# Altium PCB novena_evt1_a.PcbDoc (part 11 of 12) (continued)
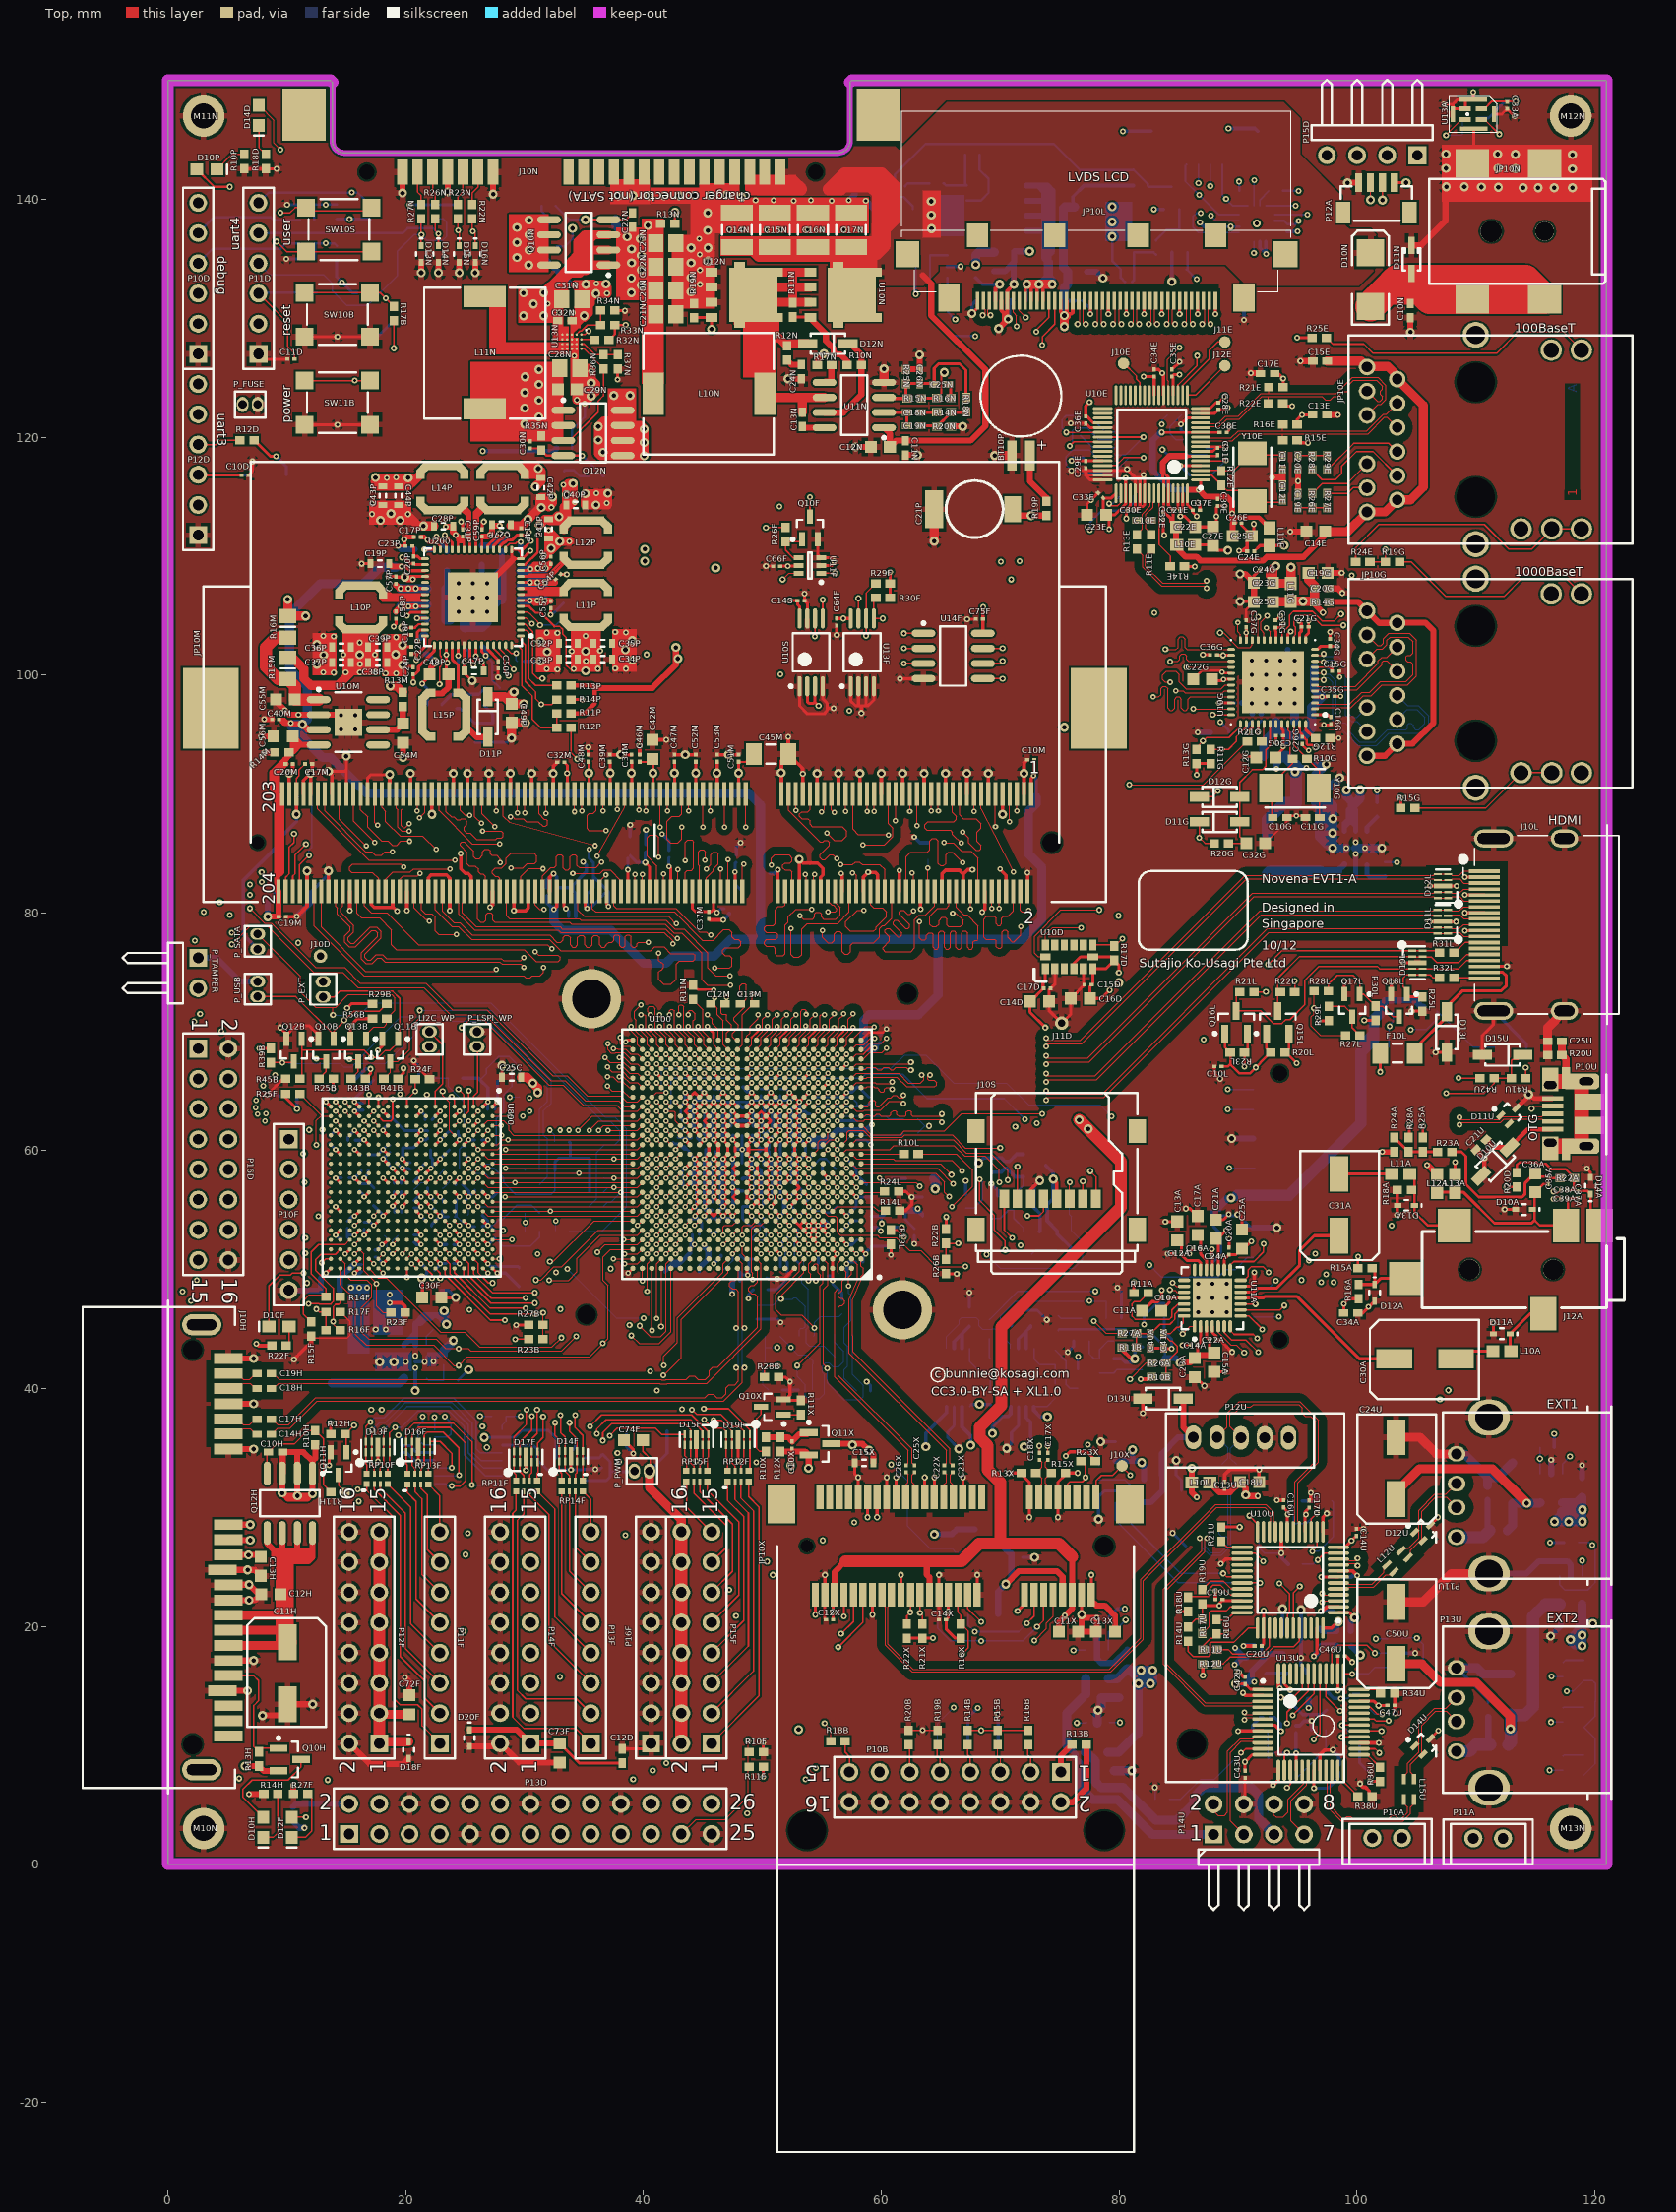
[diagram p0: Top view]
## Nets (pads, with @x,y where several pads share a name; then routed paths per layer and width w, separated by ;. In a path a pad name is that pad's centre, name@x,y a point inside that pad or via, vN(x,y) a via of type N, cw(c..) or ccw(c..) an arc to the next point about the centre after c; other vN are vias at no path point) (continued)
  L3 w0.089: v2(55.5,56.1) 55.5,55.966 55.7,55.766 55.7,55.636 55.997,55.339 56.127,55.339 56.471,54.995 57.566,54.995 58.05,54.511 58.257,54.511 58.417,54.351 58.417,54.214 58.524,54.107 58.745,54.107 58.847,54.209 58.847,54.404 58.953,54.511 59.309,54.511 59.573,54.775 59.753,54.775 59.865,54.663 59.995,54.663 60.155,54.823 60.155,54.958 60.028,55.085 60.028,55.23 63.723,58.925 67.085,58.925 72.625,64.465 v1@73.925,64.465
  other v1: 73.879,64.253
TX0_TMDS3_P: D11L.2 D11L.9 J10L.10 U100.J6 | length 67.5
  Top w0.083: U100.J6@54.3,56.5 v2(54.7,56.1) ; v1@73.9,64.78 78.595,64.78 92.47,78.655 106.43,78.655 106.525,78.75 D11L.2@107.662,78.75 ; D11L.2@107.975,78.655 108.63,78.655 108.975,79 J10L.10@110.74,79
  L3 w0.089: v2(54.7,56.1) 55.1,56.5 55.712,56.5 55.9,56.312 55.9,55.867 56.152,55.616 56.317,55.616 56.608,55.325 57.703,55.325 58.186,54.841 59.172,54.841 63.331,59 63.586,59.255 66.948,59.255 72.488,64.795 v1@73.925,64.795
  other v1: 73.879,65.028
TX_HDMI_5V: D13L.1 F10L.2 J10L.18 | length 13.6
  Top w0.254: F10L.2@104.875,68.2 104.875,68.575 107.575,71.275 D13L.1@107.575,71.675 107.575,72.125 108.9,73.45 112.15,73.45 112.575,73.875 112.575,74.7 112.275,75 J10L.18@110.74,75
TXRXA_N: JP10G.R9 U10G.3 | length 17.7
  Top w0.083: U10G.3@96.625,97.555 99.399,97.555 100.399,98.555 101.099,98.555 101.999,99.455 104.149,99.455 104.72,100.026 104.72,100.905 104.5,101.125 104.25,101.125 104.15,101.225 104.15,101.55 104.25,101.65 104.52,101.65 104.72,101.85 104.72,102.799 104.324,103.195 102.801,103.195 102.53,102.924 102.53,102.549 102.169,102.187 101.716,102.187 JP10G.R9@100.86,101.332
TXRXA_P: JP10G.R8 U10G.2 | length 17.9
  Top w0.083: U10G.2@96.625,97.25 99.525,97.25 100.525,98.25 101.225,98.25 102.125,99.15 104.275,99.15 105.025,99.9 105.025,102.925 104.45,103.5 102.675,103.5 102.225,103.05 102.225,102.675 102.042,102.492 101.732,102.492 JP10G.R8@100.86,103.364
TXRXB_N: JP10G.R2 U10G.6 | length 8.2
  Top w0.083: U10G.6@96.625,99.055 99.88,99.055 101.795,100.97 101.795,101.176 102.111,101.492 102.535,101.492 JP10G.R2@103.39,102.348
TXRXB_P: JP10G.R3 U10G.5 | length 8.3
  Top w0.083: U10G.5@96.625,98.75 100.006,98.75 102.1,100.844 102.1,101.05 102.238,101.188 102.518,101.188 JP10G.R3@103.39,100.316
TXRXC_N: JP10G.R5 U10G.8 | length 18.4
  Top w0.083: U10G.8@96.475,100.15 v1@97.05,100.15
  Bot w0.083: v1@97.2,100.075 97.7,100.075 98.275,99.5 98.275,96.325 98.637,95.963 99.012,95.963 99.25,95.725 99.25,95.35 100.225,94.375 101.55,94.375 102.575,95.4 104.15,95.4 104.275,95.525 104.275,95.825 104.4,95.95 104.575,95.95 104.75,95.775 104.75,95.6 104.95,95.4 105.2,95.4 105.725,95.925 105.725,96.425 105.043,97.107 104.246,97.107 JP10G.R5@103.39,96.252
  other v1: 97.2,100.2
TXRXC_P: JP10G.R4 U10G.7 | length 18.5
  Top w0.083: U10G.7@96.475,99.65 v1@97.125,99.65
  Bot w0.083: v1@97.2,99.77 97.574,99.77 97.97,99.374 97.97,96.199 100.099,94.07 101.676,94.07 102.701,95.095 105.326,95.095 106.03,95.799 106.03,96.551 105.169,97.412 104.262,97.412 JP10G.R4@103.39,98.284
  other v1: 97.2,99.575
TXRXD_N: JP10G.R10 U10G.11 | length 9.1
  Top w0.083: U10G.11@96.475,101.65 v1@97.075,101.65
  Bot w0.083: v1@97.2,101.575 98.45,101.575 99.35,100.675 99.35,96.725 99.663,96.412 100.005,96.412 JP10G.R10@100.86,97.268
  other v1: 97.2,101.775
TXRXD_P: JP10G.R11 U10G.10 | length 9.1
  Top w0.083: U10G.10@96.475,101.15 v1@97.1,101.15
  Bot w0.083: v1@97.2,101.27 98.324,101.27 99.045,100.549 99.045,96.599 99.536,96.108 99.988,96.108 JP10G.R11@100.86,95.236
  other v1: 97.2,101.1
UART2_RXD: D12D.1 R10D.2 R15D.2 U100.E25 | length 138.4
  Top w0.102: v1(30.95,49.125) 31.375,49.125 32.475,50.225 33.116,50.225 36.191,53.3 U100.E25@39.1,53.3
  L3 w0.127: v1(5.375,78.325) 6.2,78.325 6.85,78.975 11.85,78.975 15.659,75.166 15.659,72.266 18.225,69.7 18.225,66.05 v1(19.525,64.75)
  L8 w0.102: v1(19.525,64.75) 19.875,64.4 20.775,64.4 21.525,65.15 22.225,65.15 24.05,63.325 24.05,62.375 24.325,62.1 26.625,62.1 28.525,64 30.8,64 31.225,63.575 31.225,57.636 27.839,54.25 25.25,54.25 24.9,53.9 24.9,50.05 26.575,48.375 28.175,48.375 28.925,49.125 v1(30.95,49.125)
  L8 w0.127: v1(5.375,78.325) 5.671,78.621 5.671,80.779 5.55,80.9 5.55,104.951 11.4,110.801 11.4,123.575 12.15,124.325 12.15,132.6 13.275,133.725 v1(13.275,136.3)
  Bot w0.203: D12D.1@12.4,135 12.4,136.2 R15D.2@12.3,136.3 14,136.3 R10D.2@14.2,136.1
UART2_TXD: D13D.1 R11D.2 R16D.2 U100.E24 | length 143.5
  Top w0.102: v1(32.075,49.1) 33.7,49.1 34.416,49.816 34.416,50.959 36.356,52.9 39.5,52.9 U100.E24@39.9,53.3
  L3 w0.127: v1(5.2,79.8) 7.05,79.8 7.6,80.35 11.1,80.35 16.101,75.349 16.101,72.449 18.675,69.875 18.675,66.575 19.55,65.7 20.75,65.7 21.75,64.7 v1(21.775,64.7)
  L8 w0.102: v1(21.775,64.7) 22.375,64.1 22.75,64.1 23.725,63.125 23.725,62 24.425,61.3 27.3,61.3 27.525,61.525 27.525,62.425 28.85,63.75 30.65,63.75 30.95,63.45 30.95,57.75 27.725,54.525 24.625,54.525 24.1,54 24.1,50.325 26.4,48.025 28.625,48.025 29.125,48.525 31.5,48.525 v1(32.075,49.1)
  L8 w0.127: v1(5.2,79.8) 5.2,105.096 11.05,110.946 11.05,123.72 11.8,124.47 11.8,136.175 13.275,137.65 v1(13.275,139.55)
  Bot w0.203: R16D.2@12.3,138.25 D13D.1@12.3,139.55 R11D.2@14.2,139.55
UART3_RXD: P12D.4 R12D.2 U100.G22 U800.P2 | length 109.4
  Top w0.102: U800.P2@16.9,62.9 v2(17.3,63.3) ; v2(41.1,54.5) U100.G22@41.5,54.9
  Top w0.127: P12D.4@2.54,119.38 4.055,119.38 4.425,119.75 R12D.2@6.05,119.75
  L3 w0.102: v2(32.975,61.725) 34.25,60.45 40.675,60.45 41.481,59.644 41.481,56.742 41.475,56.736 41.475,56.475 41.481,56.469 41.481,54.881 v2(41.1,54.5)
  L3 w0.127: v1(3,80.05) 2.125,79.175 2.125,78.475 2.975,77.625 3.975,77.625 5.55,76.05 8.2,76.05 10.3,78.15 12.225,78.15 14.4,75.975 14.4,66.2 v2(17.3,63.3)
  L7 w0.127: v2(17.3,63.3) 17.7,63.7 20,63.7 20.409,64.109 25.484,64.109 26.425,65.05 29,65.05 29.275,64.775 29.275,64.4 29.95,63.725 30.825,63.725 31.875,62.675 32.025,62.675 v2(32.975,61.725)
  L8 w0.127: P12D.4@2.875,119.1 5.425,116.55 5.425,108.432 3,106.007 v1(3,80.05)
UART3_TXD: P12D.5 U100.F22 U800.T2 | length 150.8
  Top w0.102: v2(14.9,63.3) U800.T2@15.3,62.9 ; v2(41.1,53.7) U100.F22@41.5,54.1
  L7 w0.102: v2(14.9,63.3) 14.5,62.9 12.975,62.9 12.875,63 8.7,63 v2(8.175,62.475) 8,62.3 8,47.345 10.37,44.975 12.394,44.975 19.775,37.594 19.775,36.896 22.596,34.075 35.875,34.075 36.506,33.444 38.118,33.444 38.653,33.978 38.653,37.275 35.675,40.254 35.675,43.771 37.05,45.146 37.05,49.002 36.6,49.452 36.6,50.925 37.475,51.8 38.225,51.8 40.125,53.7 v2(41.1,53.7)
  L8 w0.127: P12D.5@2.875,121.7 6.05,118.525 6.05,108.35 3.702,106.002 3.702,78.875 3.875,78.702 3.875,70.341 3.852,70.318 3.852,64.348 4,64.2 4,62.95 4.675,62.275 7.425,62.275 7.625,62.475 v2(8.175,62.475)
UART4_CTS: P11D.2 U100.L3 U800.U1 | length 254.4
  Top w0.102: v2(14.1,64.1) U800.U1@14.5,63.7 ; U100.L3@56.7,58.1 v2(57.1,57.7)
  L4 w0.102: v2(57.1,57.7) 57.481,57.319 57.481,56.669 57.65,56.5 60.475,56.5 61.3,55.675 69.825,55.675 71.675,53.825 80.375,53.825 84.1,50.1 89.05,50.1 89.7,50.75 v1(95.975,50.75)
  L7 w0.102: v2(14.1,64.1) 13.7,63.7 12.3,63.7 11.75,64.25 10.4,64.25 9.75,63.6 8.075,63.6 7.35,62.875 7.35,47.076 10.101,44.325 12.125,44.325 16.125,40.325 16.125,34.043 19.293,30.875 52.675,30.875 53.266,31.466 81.566,31.466 82.775,32.675 82.775,36.992 85.074,39.291 91.849,39.291 95.975,43.417 v1(95.975,50.75)
  L8 w0.127: v2(7.525,63.075) 6.975,63.075 6.25,63.8 6.25,69.15 4.775,70.625 4.775,105.272 10.625,111.122 10.625,123.896 11.375,124.646 11.375,127.775 10.425,128.725 8.675,128.725 P11D.2@7.95,129.45
UART4_RTS: P11D.6 R14D.2 U100.L4 U800.U2 | length 293.3
  Top w0.102: v2(14.1,63.3) U800.U2@14.5,62.9 ; U100.L4@55.9,58.1 v2(56.3,57.7)
  L4 w0.102: v2(56.3,57.7) 56.681,57.319 56.681,55.869 56.9,55.65 59.9,55.65 60.875,54.675 63.9,54.675 64.1,54.875 69.65,54.875 71.125,53.4 80.3,53.4 81.8,51.9 81.8,50.35 82.475,49.675 89.226,49.675 89.876,50.325 94.15,50.325 v1(95.35,49.125)
  L7 w0.102: v2(14.1,63.3) 12.125,63.3 11.5,63.925 10.475,63.925 9.85,63.3 8.4,63.3 v2(8.225,63.125) 7.65,62.55 7.65,47.2 10.225,44.625 12.249,44.625 16.425,40.449 16.425,34.167 19.417,31.175 52.551,31.175 53.142,31.766 81.442,31.766 82.475,32.799 82.475,37.117 84.95,39.591 91.725,39.591 95.35,43.217 v1(95.35,49.125)
  L8 w0.127: v2(8.225,63.125) 8.7,63.125 10.1,64.525 10.1,68.7 8.85,69.95 8.85,71.375 9.825,72.35 9.825,80.416 9.3,80.941 9.3,89.825 7.425,91.7 7.425,92.15 8.625,93.35 8.625,94.875 7.45,96.05 7.45,102.675 13.25,108.475 13.25,122.75 14.875,124.375 14.875,129.95 17.075,132.15 23.7,132.15 25.1,133.55 25.1,134.575 26.625,136.1 26.625,137.8 25.775,138.65 17.4,138.65 v1(15.475,140.575)
  Bot w0.203: P11D.6@7.62,139.7 8.47,140.55 15.95,140.55 R14D.2@17.05,139.45
UART4_RXD: D13N.1 P11D.4 P13D.10 R27N.2 R30N.2 U100.L1 U100.V6 U800.T1 | length 345.5
  Top w0.102: v2(14.9,64.1) U800.T1@15.3,63.7 ; U100.V6@54.3,63.7 v2(54.7,64.1) ; U100.L1@58.3,58.1 64.584,58.1 65.325,57.359 65.325,56.5 v1(65.7,56.125)
  Top w0.127: D13N.1@21.3,136.1 R27N.2@21.3,138.35
  L3 w0.102: v1(15.95,31.525) 16.6,30.875 16.6,9.4 18.4,7.6 22.88,7.6 P13D.10@25.4,5.08
  L4 w0.102: v1(65.7,56.125) 65.75,56.075 71.95,56.075 73.775,54.25 80.625,54.25 84.2,50.675 88.812,50.675 89.462,51.325 v1(96.5,51.325)
  L7 w0.102: v2(14.9,64.1) 14.5,64.5 10.15,64.5 9.575,63.925 7.675,63.925 7.025,63.275 7.025,46.941 9.966,44 11.99,44 15.1,40.89 15.1,32.425 17.016,30.509 52.827,30.509 53.418,31.1 81.718,31.1 83.141,32.523 83.141,36.841 85.226,38.925 92.001,38.925 96.5,43.424 v1(96.5,51.325)
  L7 w0.127: v2(54.7,64.1) 55.1,63.7 55.1,59.125 56.125,58.1 58.15,58.1 58.45,57.8 58.45,56.825 59.05,56.225 61.275,56.225 61.9,55.6 65.175,55.6 v1(65.7,56.125)
  L8 w0.127: v2(7.375,63.625) 6.575,64.425 6.575,69.525 5.9,70.2 5.9,104.806 11.75,110.656 11.75,123.43 12.5,124.18 12.5,132.25 15.825,135.575 20.775,135.575 21.325,136.125 v1(21.325,137.025)
  Bot w0.127: P11D.4@7.62,134.62 8.59,133.65 13.1,133.65 13.825,132.925 13.825,132.3 15.05,131.075 16.8,131.075 19.3,133.575 19.3,135.625 20.7,137.025 v1(21.325,137.025) 21.825,136.525 23.075,136.525 23.45,136.9 23.45,138.05 23.15,138.35 R30N.2@22.5,138.35
UART4_TXD: D14N.1 P11D.5 P13D.8 R26N.2 R28N.2 U100.M2 U100.W5 U800.P1 | length 341.3
  Top w0.102: U100.W5@55.1,64.5 v2(55.5,64.9) ; U100.M2@57.5,58.9 57.9,58.5 64.75,58.5 v1(66.038,57.212)
  Top w0.127: U800.P1@16.9,63.7 v1(16.9,64.7) ; R26N.2@22.5,138.35 22.5,137.35 v1(22.75,137.1) D14N.1@22.75,136.1
  L3 w0.102: v1(16.05,30.5) 16.05,28.6 16.35,28.3 16.35,9.125 18.525,6.95 21.175,6.95 22.86,5.265 P13D.8@22.86,5.08
  L4 w0.102: v1(66.038,57.212) 66.7,56.55 72.625,56.55 74.125,55.05 83.9,55.05 84.425,54.525 86.825,54.525 87.475,55.175 93.6,55.175 97,51.775 v1(97,48.925)
  L7 w0.102: v1(16.9,64.7) 14.925,64.7 14.831,64.794 9.969,64.794 9.4,64.225 v2(7.425,64.225) 7.175,64.225 6.725,63.775 6.725,46.817 9.842,43.7 11.866,43.7 14.8,40.766 14.8,31.75 v1(16.05,30.5) 16.341,30.209 52.951,30.209 53.542,30.8 81.842,30.8 83.441,32.399 83.441,36.716 85.35,38.625 92.125,38.625 97,43.5 v1(97,48.925)
  L7 w0.127: v2(55.5,64.9) 55.906,64.494 55.906,59.137 56.15,58.894 58.206,58.894 58.85,58.25 58.85,57.05 59.25,56.65 62.75,56.65 63.3,56.1 64.925,56.1 v1(66.038,57.212)
  L8 w0.127: v2(7.425,64.225) 7.425,65.65 7,66.075 7,69.825 6.275,70.55 6.275,104.651 12.125,110.501 12.125,123.275 12.875,124.025 12.875,132.05 15.925,135.1 21.65,135.1 22.75,136.2 v1(22.75,137.1)
  Bot w0.203: P11D.5@7.62,137.16 19.765,137.16 20.18,137.575 21.325,137.575 ; R28N.2@21.3,138.35 21.3,137.6 21.325,137.575 ; v1(22.75,137.1) 22.275,137.575 21.325,137.575
UIM_CLK: JP10X.12 U10X.C3 U100.H22 U800.B16 | length 87.3
  Top w0.102: U800.B16@26.5,51.7 v2(26.9,51.3) ; v2(41.1,55.3) U100.H22@41.5,55.7
  Top w0.127: v1(73.1,19.95) 73.655,20.505 JP10X.12@73.655,22.65
  L3 w0.102: v2(26.9,51.3) 27.097,51.497 27.334,51.497 27.609,51.772 28.203,51.772 28.282,51.694 28.288,51.694 28.484,51.497 30.472,51.497 31.025,52.05 35.5,52.05 36.9,52.05 39.75,54.9 40.7,54.9 v2(41.1,55.3)
  L3 w0.127: 35.5,52.05 35.5,50.6 36.675,49.425 37.85,49.425 39.494,47.781 43.843,47.781 46.175,45.449 46.175,40.591 47.5,39.266 47.5,36.4 46.775,35.675 46.775,33.125 52.05,27.85 52.05,25.526 54.551,23.025 56.001,23.025 57.775,21.251 57.775,20.701 58.726,19.75 65.95,19.75 66.925,18.775 v1(68.4,18.775)
  Bot w0.127: U10X.C3@64.75,21.025 64.75,19.825 65.8,18.775 v1(68.4,18.775) 71.925,18.775 v1(73.1,19.95)
UIM_DATA: JP10X.10 U10X.C7 U100.G25 U800.A12 | length 96.4
  Top w0.102: U800.A12@27.3,54.9 U100.G25@39.1,54.9 ; v1(72.875,18.8) 73.875,19.8 73.875,20.275 74.455,20.855 JP10X.10@74.455,22.65
  L3 w0.102: v2(31.075,51.325) 33.15,51.325 35.55,48.925 37.475,48.925 38.875,47.525 43.675,47.525 45.875,45.325 45.875,40.467 47.2,39.142 47.2,36.524 46.475,35.799 46.475,33.001 51.75,27.726 51.75,25.401 54.426,22.725 55.876,22.725 57.475,21.126 57.475,20.576 58.601,19.45 65.125,19.45 66.075,18.5 v1(66.075,13.175) 71.7,18.8 v1(72.875,18.8)
  L7 w0.102: v2(31.075,51.325) 31.075,53.8 v2(32.175,54.9)
  Bot w0.102: U10X.C7@64.75,9.825 64.75,11.85 v1(66.075,13.175)
UIM_PWR: C16X.1 JP10X.8 Q12X.3 U10X.C1 U800.J18 | length 98.8
  Top w0.102: v2(20.5,50.5) U800.J18@20.9,50.1
  Top w0.508: v3(70.475,23.55) 71.575,24.65 74.775,24.65 75.255,24.17 JP10X.8@75.255,22.65
  L7 w0.127: v1(24.85,19.6) 26.476,19.6 26.951,19.125 49.675,19.125 54.2,23.65 58.625,23.65 61.725,20.55 63.8,20.55 66.8,23.55 v3(70.475,23.55)
  L8 w0.102: v2(20.5,50.5) 20.5,49.758 20.675,49.582 20.675,45.5 23.25,42.925 23.25,40.475 24.35,39.375 24.35,36.35 22.975,34.975 22.975,30.25 24.125,29.1 24.125,25.075 24.85,24.35 v1(24.85,19.6)
  Bot w0.508: Q12X.3@69.75,27.2 70.825,26.125 70.95,26.125 70.95,24.025 69.83,22.905 U10X.C1@69.83,21.025
UIM_PWRON: Q12X.1 R14X.2 U100.J21 U800.A14 | length 77.6
  Top w0.102: U800.A14@27.3,53.3 v2(28.2,53.3) ; v2(41.9,56.1) U100.J21@42.3,56.5
  L7 w0.102: v2(28.2,53.3) 30.6,55.7 41.5,55.7 v2(41.9,56.1) ; v1(38.825,45.325) 38.825,45.276 37.75,44.201 37.75,39.474 39.7,37.524 39.7,36.324 43.299,32.725 55.825,32.725 56.45,33.35 60,33.35 60.25,33.6 v1(60.825,33.6)
  L8 w0.102: v1(38.825,45.325) 38.825,46.35 35.65,49.525 35.65,51.6 39.769,55.719 41.519,55.719 v2(41.9,56.1)
  Bot w0.102: v1(60.825,33.6) 62.2,32.225 62.2,28.425 64.075,26.55 R14X.2@65.95,26.55 66.25,26.25 Q12X.1@67.85,26.25
UIM_RESET: JP10X.14 U10X.C2 U100.H23 U800.C15 | length 85.7
  Top w0.102: U800.C15@25.7,52.5 v2(26.1,52.1) ; v2(40.3,55.3) U100.H23@40.7,55.7
  Top w0.127: v1(72.25,20.25) 72.855,20.855 JP10X.14@72.855,22.65
  L3 w0.102: v2(26.1,52.1) 26.5,51.7 27.25,51.7 27.525,51.975 28.288,51.975 28.366,51.897 28.372,51.897 28.569,51.7 29.9,51.7 30.475,52.275 36.725,52.275 39.75,55.3 v2(40.3,55.3)
  L3 w0.127: v1(37.25,50.075) 38.518,50.075 38.537,50.094 40.056,50.094 42.101,48.049 43.999,48.049 46.475,45.574 46.475,40.715 47.8,39.39 47.8,36.276 47.075,35.551 47.075,33.249 52.35,27.974 52.35,25.65 54.675,23.325 56.125,23.325 58.075,21.375 58.075,20.825 58.85,20.05 66.275,20.05 66.775,19.55 v1(67.875,19.55)
  L8 w0.102: v1(37.25,50.075) 36.6,50.725 36.6,51.425 40,54.825 40,55 v2(40.3,55.3)
  Bot w0.127: U10X.C2@67.29,21.025 67.29,20.135 v1(67.875,19.55) 71.55,19.55 v1(72.25,20.25)
UIM_VPP: JP10X.16 U10X.C6 | length 17.8
  Top w0.254: v1(71.45,21.275) 72.055,21.88 JP10X.16@72.055,22.65
  L3 w0.254: v1(68.1,13.125) 73.9,18.925 73.9,20.525 73.15,21.275 v1(71.45,21.275)
  Bot w0.254: U10X.C6@67.29,9.825 67.29,12.315 v1(68.1,13.125)
USB_ETH_N: R11E.1 U10U.9 | length 115
  Top w0.095: R11E.1@82.489,110.343 82.215,110.069 82.215,109.153 83.647,107.721 v1@87.359,107.721 ; U10U.9@98.45,25.15 99.2,25.15 99.346,25.296 v1@100.05,25.296
  L3 w0.101: v1@87.35,107.725 103.425,107.725 105.375,105.775 105.375,71.16 109.975,66.56 109.975,58.115 103.791,51.931 103.791,27.325 101.75,25.284 v1@100.075,25.284
  other v1: 100.05,25.1 87.35,107.925
USB_ETH_P: R13E.1 U10U.10 | length 115
  Top w0.095: R13E.1@81.674,110.37 81.986,110.058 81.986,109.059 83.553,107.493 v1@87.359,107.493 ; U10U.10@98.45,25.65 99.2,25.65 99.325,25.525 v1@100.05,25.525
  L3 w0.101: v1@87.35,107.484 103.325,107.484 105.134,105.675 105.134,71.061 109.734,66.461 109.734,58.214 103.55,52.031 103.55,27.425 102.809,26.684 102.471,26.684 102.224,26.437 102.224,26.099 101.65,25.525 101.3,25.525 101.081,25.744 100.848,25.744 100.629,25.525 v1@100.05,25.525
  other v1: 100.05,25.725 87.35,107.3
USB_ETHI_N: C10E.1 R11E.2 U10E.57 | length 3.6
  Top w0.095: R11E.2@82.498,112.074 82.255,112.317 82.255,113.507 82.863,114.115 U10E.57@82.863,114.547 ; U10E.57@82.95,114.55 U10E.57@82.95,115.279
USB_ETHI_P: C10E.2 R13E.2 U10E.56 | length 3.6
  Top w0.095: R13E.2@81.643,112 81.944,112.301 81.944,113.519 82.635,114.21 U10E.56@82.635,114.547 ; U10E.56@82.55,114.625 U10E.56@82.55,115.279
USB_EXT1_N: L12U.2 U10U.5 | length 4.6
  Top w0.095: U10U.5@99.125,23.1 99.325,23.3 101.4,23.3 102.45,24.35 102.9,24.35 L12U.2@103.123,24.573
USB_EXT1_P: L12U.3 U10U.6 | length 4.4
  Top w0.095: U10U.6@99.125,23.725 99.321,23.529 101.305,23.529 102.3,24.523 102.3,24.952 L12U.3@102.522,25.174
USB_EXT1F_N: D12U.2 L12U.1 P11U.2 | length 7.8
  Top w0.095: L12U.1@104.5,26.05 104.5,26.402 105.45,27.352 105.45,29.675 106.646,30.871 107.529,30.871 P11U.2@108.4,30
USB_EXT1F_P: D12U.1 L12U.4 P11U.3 | length 7.9
  Top w0.095: L12U.4@104.075,26.575 104.35,26.575 105.221,27.446 105.221,29.77 106.552,31.1 107.5,31.1 P11U.3@108.4,32
USB_EXT2_N: L15U.2 U13U.21 | length 11.5
  Top w0.095: U13U.21@97.375,7.15 97.525,7 97.525,4.775 98.675,3.625 103.875,3.625 104.5,4.25 104.5,4.8 104.8,5.1 L15U.2@104.8,5.45
USB_EXT2_P: L15U.3 U13U.22 | length 11.2
  Top w0.095: U13U.22@97.875,7.125 97.754,7.004 97.754,5.921 98,5.675 98,5.346 97.754,5.1 97.754,4.87 98.77,3.854 99.025,3.854 99.196,4.025 99.479,4.025 99.65,3.854 102.7,3.854 102.946,4.1 103.254,4.1 103.5,3.854 103.78,3.854 104.271,4.345 104.271,4.804 103.95,5.125 L15U.3@103.95,5.45
USB_EXT2F_N: D14U.2 L15U.1 P13U.2 | length 8.6
  Top w0.095: L15U.1@104.8,7.425 104.5,7.725 104.5,8.402 105.45,9.352 105.45,11.675 106.646,12.871 107.529,12.871 P13U.2@108.4,12
USB_EXT2F_P: D14U.1 L15U.4 P13U.3 | length 8.9
  Top w0.095: L15U.4@104.05,7.5 104.271,7.721 104.271,8.496 105.221,9.446 105.221,11.77 106.552,13.1 107.5,13.1 P13U.3@108.4,14
USB_H1_D_N: U10U.3 U100.F10 | length 76.7
  Top w0.095: U100.F10@51.1,54.1 v2(51.5,53.7) ; v1@97.1,22.15 U10U.3@98.45,22.15
  L3 w0.101: v2(51.5,53.7) 51.35,53.55 50.516,53.55 50.425,53.641 49.4,53.641 48.809,53.05 48.809,50.9 50.134,49.575 50.134,33.691 61.55,22.275 96.85,22.275 v1(97.1,22.025)
USB_H1_D_P: U10U.4 U100.E10 | length 76.6
  Top w0.095: U100.E10@51.1,53.3 v2(51.5,52.9) ; v1(97.1,22.762) 97.1,22.675 97.075,22.65 U10U.4@98.45,22.65
  L3 w0.101: v2(51.5,52.9) 51.5,53.1 51.291,53.309 50.416,53.309 50.325,53.4 49.5,53.4 49.05,52.95 49.05,52.7 49.2,52.55 49.2,52.15 49.05,52 49.05,51 50.375,49.675 50.375,33.791 50.566,33.6 50.8,33.6 50.971,33.429 50.971,33.196 61.65,22.516 61.925,22.516 62.109,22.7 62.391,22.7 62.575,22.516 96.854,22.516 v1(97.1,22.762)
USB_INT_N: P12U.2 R26U.2 U10U.17 | length 24.1
  Top w0.095: P12U.2@88.25,35.9 89.096,36.746 89.096,37.895 90.102,38.9 95.2,38.9 96.775,37.325 96.775,33.8 95.025,32.05 95.025,28.85 95.15,28.725 U10U.17@95.15,27.95
  Bot w0.095: P12U.2@88.25,35.9 89.146,35.004 89.146,34.146 88.65,33.65 R26U.2@88.65,33.625
USB_INT_P: P12U.3 R27U.2 U10U.18 | length 24
  Top w0.095: P12U.3@90.25,35.85 89.325,36.775 89.325,37.8 89.5,37.975 89.8,37.975 90,38.175 90,38.475 90.196,38.671 90.5,38.671 90.746,38.425 91.075,38.425 91.321,38.671 95.105,38.671 95.427,38.35 95.427,37.923 95.675,37.675 96.102,37.675 96.546,37.23 96.546,33.895 94.796,32.145 94.796,28.846 94.65,28.7 U10U.18@94.65,27.95
  Bot w0.095: R27U.2@89.85,33.625 89.375,34.1 89.375,34.975 P12U.3@90.25,35.85
USB_KBD_N: P14U.6 U13U.17 | length 6.5
  Top w0.095: P14U.6@93.03,5.02 93.03,4.12 93.2,3.95 93.8,3.95 94.221,4.371 94.221,5.445 95.546,6.77 95.546,7.004 95.4,7.15 U13U.17@95.4,7.9
USB_KBD_P: P14U.7 U13U.18 | length 6.5
  Top w0.095: P14U.7@95.57,2.5 94.45,3.62 94.45,5.35 95.775,6.675 95.775,7 95.9,7.125 U13U.18@95.9,7.9
USB_MOUSE_N: P14U.2 U13U.9 | length 10.6
  Top w0.095: P14U.2@87.95,5.04 87.95,4.5 88.35,4.1 88.85,4.1 89.121,4.371 89.121,9.496 90.175,10.55 91.275,10.55 91.425,10.7 U13U.9@92.1,10.7
USB_MOUSE_P: P14U.3 U13U.10 | length 10.6
  Top w0.095: P14U.3@90.49,2.5 89.35,3.64 89.35,9.402 90.27,10.321 91.279,10.321 91.4,10.2 U13U.10@92.1,10.2
USB_OPT_N: R26U.1 U13U.3 | length 31.5
  Top w0.095: v1@87.2,27.4 87.2,26.275 83.95,23.025 83.95,16.875 87.271,13.554 91.154,13.554 91.3,13.7 U13U.3@92.1,13.7
  Bot w0.095: v1@87.204,27.4 87.204,26.72 87.723,26.2 88.527,26.2 89.175,26.848 89.175,27.4 89.025,27.55 88.625,27.55 88.425,27.75 88.425,28.025 88.625,28.225 89,28.225 89.175,28.4 89.175,31.9 R26U.1@88.65,32.425
  other v1: 87.4,27.425
USB_OPT_P: R27U.1 U13U.4 | length 31.5
  Top w0.095: v1@86.971,27.4 86.971,26.37 83.721,23.12 83.721,16.78 87.177,13.325 91.2,13.325 91.325,13.2 U13U.4@92.1,13.2
  Bot w0.095: v1@86.975,27.4 86.975,26.625 87.629,25.971 88.621,25.971 89.404,26.754 89.404,31.904 89.85,32.35 R27U.1@89.85,32.425
  other v1: 86.775,27.4
USB_OTG_N: D11U.2 P10U.2 U100.B6 | length 85.2
  Top w0.095: v1@54.071,49.075 54.071,49.629 53.9,49.8 53.9,50.5 U100.B6@54.3,50.9 ; v1@108.6,62.371 112.095,62.371 112.37,62.646 115.579,62.646 115.775,62.45 P10U.2@116.475,62.45
  L3 w0.101: v1@54.075,49.075 54.075,47.125 61.175,40.025 85.616,40.025 85.85,40.025 86.55,40.725 97.125,40.725 101.971,45.571 101.971,56.379 107.956,62.364 v1@108.65,62.364
  other v1: 53.875,49.075 108.625,62.175
USB_OTG_P: D11U.1 P10U.3 U100.A6 | length 85.3
  Top w0.095: U100.A6@54.3,50.1 54.3,50.375 54.425,50.5 54.575,50.5 54.7,50.375 54.7,49.75 54.897,49.553 54.897,49.272 54.7,49.075 v1(54.5,49.075) ; v1@108.6,62.6 112,62.6 112.275,62.875 115.55,62.875 115.775,63.1 P10U.3@116.475,63.1
  L3 w0.101: v1@54.316,49.075 54.316,48.55 54.475,48.391 54.475,48.159 54.316,48 54.316,47.225 61.275,40.266 85.616,40.266 85.75,40.266 86.45,40.966 97.025,40.966 101.729,45.671 101.729,56.479 101.8,56.55 107.856,62.606 v1@108.65,62.606
  other v1: 108.625,62.8
USB_OVERCUR1_N: R15U.1 U10U.42 U11U.1 | length 35.1
  Top w0.127: v1(93.475,23.6) 94.35,22.725 94.35,21.175 94.15,20.975 U10U.42@94.15,19.85
  L7 w0.127: v1(93.475,23.6) 94.575,24.7 94.575,25.825 96.5,27.75 97.95,27.75 106.175,35.975 109.775,35.975 111.875,33.875 114.325,33.875 114.55,34.1 v1(115.4,34.1)
  Bot w0.127: U11U.1@115.4,32.8 v1(115.4,34.1) R15U.1@115.4,35.05
USB_OVERCUR3_N: R23U.1 U10U.30 U12U.3 | length 17.3
  Top w0.127: v1(88.75,24.45) 89.05,24.15 U10U.30@90.35,24.15
  Bot w0.127: R23U.1@78.3,32.325 U12U.3@79.7,32.325 80.5,32.325 81,31.825 81,28.625 85.175,24.45 v1(88.75,24.45)
USB_OVERCUR5_N: R12L.1 U10L.3 U13U.42 | length 185.5
  Top w0.127: v1(94.6,12.525) 96.4,14.325 U13U.42@96.4,16
  L4 w0.127: v1(67.9,128.5) 70.55,125.85 75.7,125.85 78.225,128.375 91.565,128.375 92.815,129.625 101.61,129.625 106.3,124.935 106.3,114.25 107.075,113.475 107.075,71.2 109.7,68.575 109.7,54.125 106,50.425 106,41.55 v1(107.7,39.85)
  L7 w0.127: v1(94.6,12.525) 94,12.525 92.65,13.875 92.65,18.775 91.225,20.2 91.225,27.175 94.15,30.1 98.675,30.1 107.7,39.125 v1(107.7,39.85)
  Bot w0.203: U10L.3@65.55,135.3 R12L.1@64.1,135.3 64.1,130.3 65.9,128.5 v1(67.9,128.5) v1@67.925,128.525
USB_OVERCUR6_N: R39U.2 U13U.40 U15U.3 | length 35.3
  Top w0.127: U13U.40@97.4,16 97.4,14.075 v1(98.6,12.875)
  L7 w0.127: v1(80.55,20.525) 79.075,19.05 79.075,15.55 81.075,13.55 87.609,13.55 89.525,11.634 89.525,11.05 89.825,10.75 94.126,10.75 94.801,11.425 95.75,11.425 95.925,11.6 96.475,11.6 97.75,12.875 v1(98.6,12.875)
  Bot w0.127: U15U.3@79.1,18 R39U.2@79.1,19.55 79.575,19.55 v1(80.55,20.525)
USB_OVERCUR7_N: R40U.2 U13U.30 U16U.3 | length 25.4
  Top w0.127: v1@98.725,11.725 v1(98.75,11.7) U13U.30@100.2,11.7
  L7 w0.127: v1(80.088,11.913) 81.1,12.925 87.35,12.925 88.9,11.375 88.9,10.791 89.566,10.125 94.385,10.125 95.06,10.8 96,10.8 96.15,10.95 97.15,10.95 97.9,11.7 v1(98.75,11.7)
  Bot w0.127: U16U.3@79.175,11.925 80.075,11.925 v1@80.1,11.9 ; v1(98.75,11.7) 99.325,11.125 R40U.2@100.25,11.125
USB_OVERCUR8_N: R33U.1 U13U.28 U14U.1 | length 41.2
  Top w0.127: v1(98.725,10.7) U13U.28@100.2,10.7
  L7 w0.127: v1(98.725,10.7) 100.3,10.7 101.3,11.7 102.35,11.7 102.5,11.55 104,11.55 105.825,13.375 105.825,18.835 109.14,22.15 113.265,22.15 116.965,25.85 117.975,25.85 118.95,26.825 v1(119.8,26.825)
  Bot w0.127: U14U.1@117.05,24.25 117.05,23.5 117.5,23.05 119.425,23.05 120.025,23.65 120.025,26.575 119.55,27.05 R33U.1@118.65,27.05
USB_PCI_N: JP10X.36 U10U.21 | length 47.2
  Top w0.095: JP10X.36@60.75,21.8 60.579,21.629 60.579,18.492 62.667,16.404 79.205,16.404 81.821,19.02 81.821,23.945 88.105,30.229 92.345,30.229 93.004,29.57 93.004,28.821 93.15,28.675 U10U.21@93.15,27.95
USB_PCI_P: JP10X.38 U10U.22 | length 47.1
  Top w0.095: JP10X.38@60.225,21.725 60.35,21.6 60.35,18.397 62.572,16.175 79.3,16.175 82.05,18.925 82.05,23.85 88.2,30 92.25,30 92.775,29.475 92.775,28.85 92.65,28.725 U10U.22@92.65,27.95
USB_PWREN1_N: U10U.43 U11U.3 | length 35.1
  Top w0.127: U10U.43@94.65,19.85 94.65,22.8 v1(95.2,23.35)
  L7 w0.127: v1(95.2,23.35) 98.972,27.122 98.972,28.278 106.32,35.625 109.63,35.625 111.73,33.525 117.175,33.525 v1(117.925,34.275)
  Bot w0.127: U11U.3@117.3,32.8 117.3,33.65 v1(117.925,34.275)
USB_PWREN3_N: U10U.31 U12U.1 | length 17.3
  Top w0.127: U10U.31@90.35,23.65 v1(91.85,23.65)
  Bot w0.127: U12U.1@79.7,30.425 79.7,28.925 84.975,23.65 v1(91.85,23.65)
USB_PWREN5_N: U10L.1 U13U.43 | length 181.2
  Top w0.127: v1(94.125,11.85) 94.125,12.775 95.9,14.55 U13U.43@95.9,16
  L4 w0.127: v1(66.225,129.9) 66.225,129.4 70.1,125.525 75.835,125.525 78.36,128.05 91.7,128.05 92.95,129.3 101.475,129.3 105.975,124.8 105.975,114.115 106.75,113.34 106.75,71.065 109.375,68.44 109.375,54.26 105.675,50.56 105.675,40.425 v1(107,39.1)
  L7 w0.127: v1(94.125,11.85) 92.173,13.802 92.173,18.577 90.748,20.002 90.748,27.373 93.952,30.577 98.477,30.577 v1(107,39.1)
  Bot w0.203: U10L.1@65.55,133.4 65.55,130.575 v1(66.225,129.9)
USB_PWREN6_N: U13U.41 U15U.1 | length 36.3
  Top w0.127: v1(96.375,10.475) 96.9,11 U13U.41@96.9,16
  L7 w0.127: v1(76.162,17.988) 75.675,17.5 75.675,11.7 75.919,11.456 80.781,11.456 81.975,12.65 87.236,12.65 88.625,11.261 88.625,10.677 89.452,9.85 94.569,9.85 95.194,10.475 v1(96.375,10.475)
  Bot w0.127: v1@76.15,17.975 v1(76.162,17.988) 76.175,18 U15U.1@77.2,18
USB_PWREN7_N: U13U.31 U16U.1 | length 32.5
  Top w0.127: U13U.31@100.2,12.2 101.45,12.2 101.6,12.05 v1(102.675,12.05)
  L7 w0.127: v1(76.45,11.875) 78.9,11.875 80.275,13.25 87.485,13.25 89.225,11.51 89.225,10.926 89.701,10.45 94.25,10.45 94.925,11.125 95.9,11.125 96.075,11.3 97,11.3 97.775,12.075 98.325,12.075 98.5,12.25 99.2,12.25 99.4,12.05 v1(102.675,12.05)
  Bot w0.127: v1(76.45,11.875) 77.225,11.875 U16U.1@77.275,11.925
USB_PWREN8_N: U13U.29 U14U.3 | length 29.3
  Top w0.127: U13U.29@100.2,11.2 v1(102.075,11.2)
  L7 w0.127: v1(102.075,11.2) 104.275,11.2 106.15,13.075 106.15,18.7 109.275,21.825 113.4,21.825 117.1,25.525 v1(118.95,25.525)
  Bot w0.127: v1@118.925,25.55 v1(118.95,25.525) U14U.3@118.95,24.25
USB_VBUS: C27U.1 C28U.1 C36U.1 R25U.1 U100.D10 U100.E9 | length 7.4
  Top w0.102: U100.D10@51.1,52.5 v2(51.5,52.1) ; U100.E9@51.9,53.3 v2(52.3,52.9)
  Bot w0.127: C36U.1@51.894,50.831 51.894,51.706
  Bot w0.254: R25U.1@50.45,48.325 51.225,48.325 51.975,49.075 51.975,49.35 52.1,49.475 52.1,50.625 C36U.1@51.894,50.831 ; 51.894,51.706 v2(51.5,52.1) v2(52.3,52.9)
USB_VID_N: JP10L.39 U13U.5 | length 173.1
  Top w0.095: v1@68.979,130.217 68.979,130.688 69.1,130.809 JP10L.39@69.1,131.475 ; v1@90.55,12.575 91.225,12.575 91.35,12.7 U13U.5@92.1,12.7
  L3 w0.101: v1@68.975,130.275 68.975,131.828 69.175,132.028 69.175,132.455 68.975,132.656 68.975,133 69.579,133.604 69.682,133.604 70.004,133.926 70.004,134.029 70.359,134.384 70.762,134.384 70.941,134.205 71.408,134.205 71.586,134.384 94.627,134.384 94.874,134.137 95.297,134.137 95.544,134.384 96.325,134.384 106.884,123.825 106.884,123.327 106.668,123.111 106.668,122.663 106.884,122.447 106.884,71.75 111.459,67.175 111.459,57.5 105.275,51.316 105.275,24.65 105.064,24.439 104.754,24.439 104.497,24.182 104.497,23.872 94.017,13.392 93.799,13.392 93.571,13.163 93.571,12.946 93.216,12.591 92.801,12.591 92.544,12.849 92.106,12.849 91.849,12.591 v1@90.575,12.591
  other v1: 90.55,12.775 69.179,130.251